# Altium PCB 2-quilter-output.PcbDoc (part 3 of 26)
Units mil, origin at the board's own origin, x right, y up, seen from the top; angles counter-clockwise.
Board outline 4130.55 x 4250 mil, 8 copper layers (L1, Ground L2, L3, Power L4, Ground L5, L6, Ground L7, L8), stack 62.985 mil thick; 591 components, 494 nets, 2245 pads, 1508 vias.
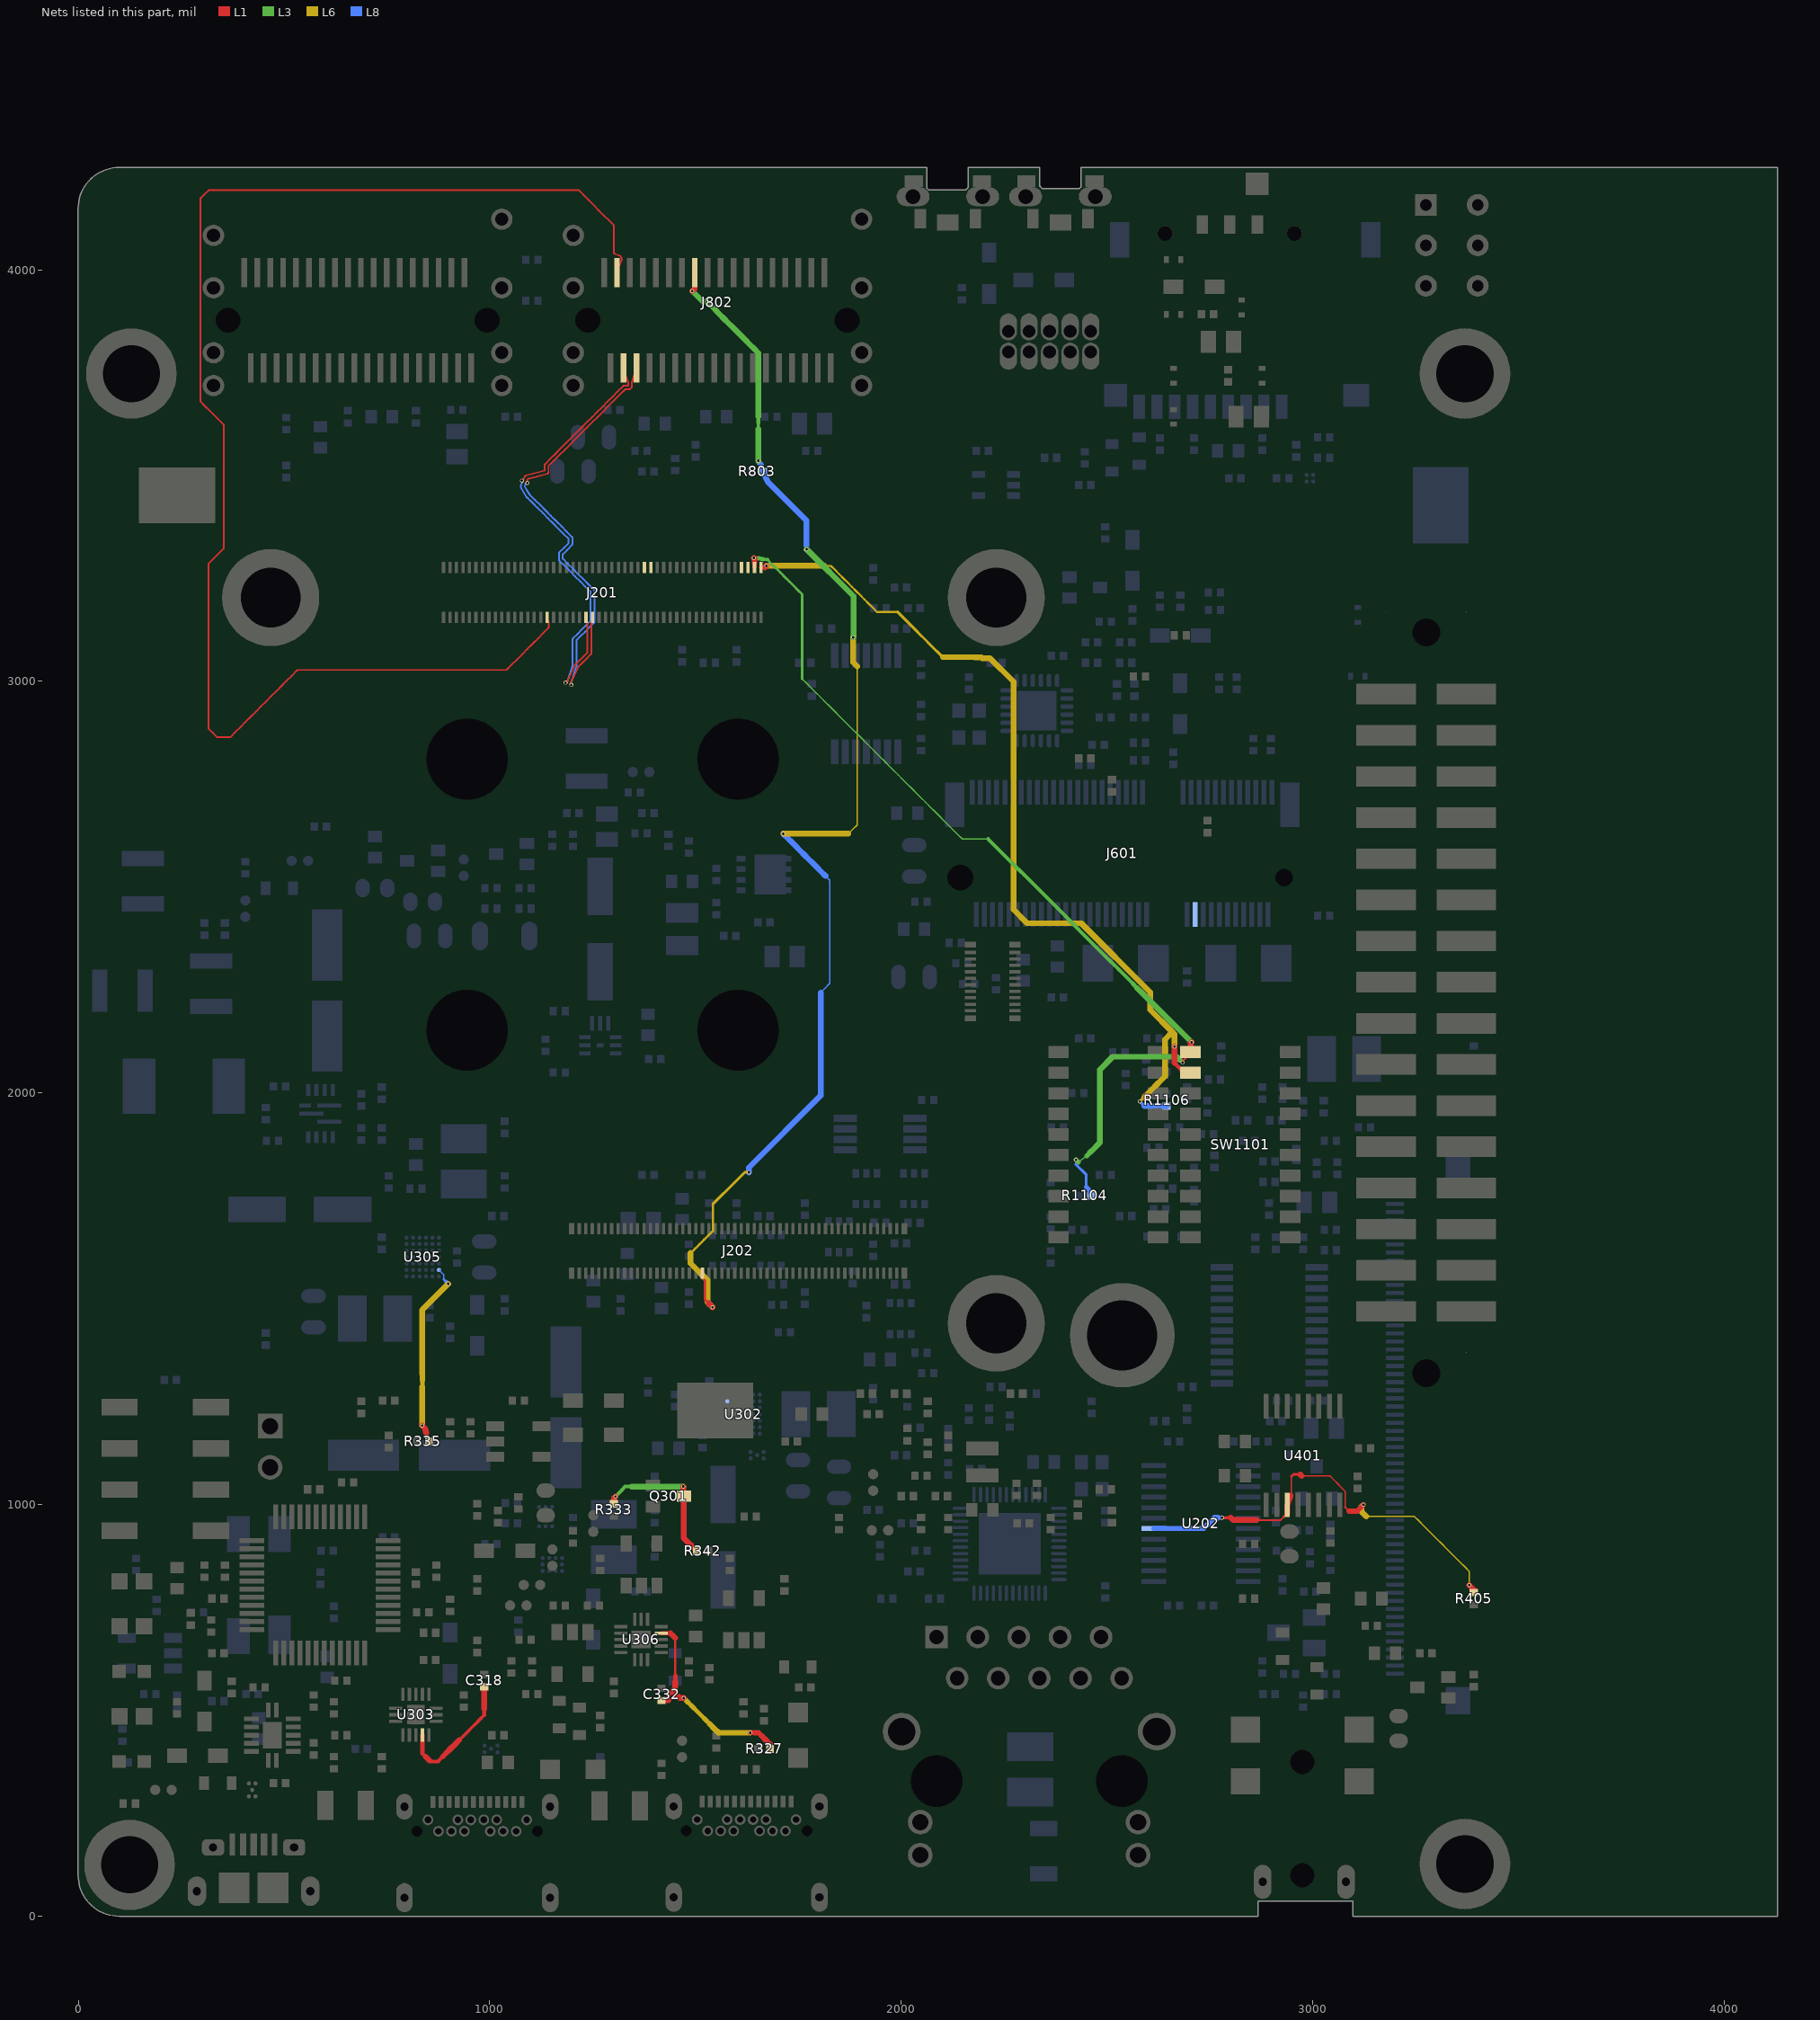
[diagram p9: the nets of this part, all layers, seen from the top]

## Part data
BH1201 BH1202 BH1203 BH1204: library part SPACER, "FASTENER, STANDOFF 4.5MMX3.53XM3.0X0.5 ROUND THR .635\"L BRASS", AGILE_PN=280-76498, ASSY_OPT=DNP, CAD_APPROVED=Yes, CLASS=IC, ClassName="X-17 Mech_TP", HEIGHT=16.13MM, MFG_NAME01=UNICORP, MFG_PN01=MSS251-R-1-A-16, PCB Footprint=spacer_139t, RoHS=Yes
  BH1201: Part Reference=BH1201
  BH1202: Part Reference=BH1202
  BH1203: Part Reference=BH1203
  BH1204: Part Reference=BH1204
BH1206: library part MOUNT_HOLE, "FASTENER, STANDOFF M2.5-0.45 ROUND FEMALE OD CS L2MMX1MM", AGILE_PN=280-77165, CAD_APPROVED=Yes, CLASS=IC, ClassName="X-17 Mech_TP", HEIGHT=2.13MM, MFG_NAME01="SHENZHEN SINHOO SCIENCE TECHNOLOGY DEVELOPMENT CO.,LTD", MFG_PN01=NXP01-001, Part Reference=BH1206, PCB Footprint=mh244-166t, RoHS=Yes
BH1207 BH1208 BH1209: library part MOUNT_HOLE, "FASTENER, STANDOFF M2.5X2.9MM OD5.1MM 1.5MM SN --", AGILE_PN=280-77209, CAD_APPROVED=Yes, CLASS=IC, ClassName="X-17 Mech_TP", FPLIST=standoff_circle_5p1-2p5mm,standoff_circle_5p1-2p5mm_nsp, HEIGHT=2.9MM, MFG_NAME01="WURTH ELEKTRONIK EISOS GMBH & CO. KG", MFG_PN01=9774015151R, PCB Footprint=standoff_circle_5p1-2p5mm_nsp, RoHS=Yes
  BH1207: Part Reference=BH1207
  BH1208: Part Reference=BH1208
  BH1209: Part Reference=BH1209
C101 C304 C305: library part CAP_POL, "CAP ALEL 100uF 50V 20% -- SMD", Tolerance=20%, Voltage=50V, AGILE_PN=150-79137, CAD_APPROVED=Yes, CLASS=DISCRETE, HEIGHT=10.5MM, MFG_NAME01=NICHICON, MFG_PN01=UUD1H101MNL1GS, PCB Footprint=cce8p3x8p3, RoHS=Yes
  C101: ClassName="C-06 Power Bot", Part Reference=C101
  C304: ClassName="C-08 USB TYPE-C DRP Bot 1", Part Reference=C304
  C305: ClassName="C-08 USB TYPE-C DRP Bot 2", Part Reference=C305
C102 C113 C138 C161 C503 C504 C507 C509 C510 C511 C512 C513 C520 C521 C522 C523 C524 C525 C526 C527 C917 C1004: library part CAP_NP, "CAP CER 0.22uF 50V 10% X5R 0402", Temp_Range="-55¡ãC to +85¡ãC", Tolerance=10%, Voltage=50V, AGILE_PN=150-79999, CAD_APPROVED=Yes, CLASS=DISCRETE, FPLIST=CC0402_25,CC0402_HD,0402_CC, HEIGHT=0.55MM, MFG_NAME01="Taiyo Yuden", MFG_PN01=UMK105BJ224KV-F, PCB Footprint=0402_CC, RoHS=Yes
  C102: ClassName="C-06 Power Bot", Part Reference=C102
  C113: ClassName="C-06 Power Bot", Part Reference=C113
  C138: ClassName="C-06 Power Bot", Part Reference=C138
  C161: ASSY_OPT=DNP, ClassName="C-06 Power Bot", Part Reference=C161
  C503: ClassName="C-10 Ethernet 1Gbps", Part Reference=C503, SIGNAL_MODEL=DEFAULT_CAPACITOR_220000pF_2_1
  C504: ClassName="C-10 Ethernet 1Gbps", Part Reference=C504, SIGNAL_MODEL=DEFAULT_CAPACITOR_220000pF_2_1
  C507: ClassName="C-10 Ethernet 1Gbps", Part Reference=C507, SIGNAL_MODEL=DEFAULT_CAPACITOR_220000pF_2_1
  C509: ClassName="C-10 Ethernet 1Gbps", Part Reference=C509, SIGNAL_MODEL=DEFAULT_CAPACITOR_220000pF_2_1
  C510: ClassName="C-10 Ethernet 1Gbps", Part Reference=C510, SIGNAL_MODEL=DEFAULT_CAPACITOR_220000pF_2_1
  C511: ClassName="C-10 Ethernet 1Gbps", Part Reference=C511, SIGNAL_MODEL=DEFAULT_CAPACITOR_220000pF_2_1
  C512: ClassName="C-10 Ethernet 1Gbps", Part Reference=C512, SIGNAL_MODEL=DEFAULT_CAPACITOR_220000pF_2_1
  C513: ClassName="C-10 Ethernet 1Gbps", Part Reference=C513, SIGNAL_MODEL=DEFAULT_CAPACITOR_220000pF_2_1
  C520: ClassName="C-10 Ethernet 1Gbps Bot 1", Part Reference=C520, SIGNAL_MODEL=DEFAULT_CAPACITOR_220000pF_2_1
  C521: ClassName="C-10 Ethernet 1Gbps Bot 1", Part Reference=C521, SIGNAL_MODEL=DEFAULT_CAPACITOR_220000pF_2_1
  C522: ClassName="C-10 Ethernet 1Gbps Bot 1", Part Reference=C522, SIGNAL_MODEL=DEFAULT_CAPACITOR_220000pF_2_1
  C523: ClassName="C-10 Ethernet 1Gbps", Part Reference=C523, SIGNAL_MODEL=DEFAULT_CAPACITOR_220000pF_2_1
  C524: ClassName="C-10 Ethernet 1Gbps", Part Reference=C524, SIGNAL_MODEL=DEFAULT_CAPACITOR_220000pF_2_1
  C525: ClassName="C-10 Ethernet 1Gbps Bot 1", Part Reference=C525, SIGNAL_MODEL=DEFAULT_CAPACITOR_220000pF_2_1
  C526: ClassName="C-10 Ethernet 1Gbps Bot 1", Part Reference=C526, SIGNAL_MODEL=DEFAULT_CAPACITOR_220000pF_2_1
  C527: ClassName="C-10 Ethernet 1Gbps Bot 1", Part Reference=C527, SIGNAL_MODEL=DEFAULT_CAPACITOR_220000pF_2_1
  C917: ClassName="C-14 Debug Bot", Part Reference=C917
  C1004: ClassName="C-15 Expansion CN Bot", Part Reference=C1004
C103 C309 C326: library part CAP_POL, "CAP ALEL 47uF 50V 20% SMD", Tolerance=20%, Voltage=50V, AGILE_PN=150-79704, CAD_APPROVED=Yes, CLASS=DISCRETE, HEIGHT=8MM, MFG_NAME01=NICHICON, MFG_PN01=UWT1H470MCL1GS, PCB Footprint=case_d_al, RoHS=Yes
  C103: ClassName="C-06 Power Bot", Part Reference=C103
  C309: ClassName="C-08 USB TYPE-C DRP Bot 1", Part Reference=C309
  C326: ClassName="C-08 USB TYPE-C DRP Bot 2", Part Reference=C326
C105 C106 C116 C117 C121 C145 C209 C211 C213 C215 C216 C219 C220 C221 C302 C308 C313 C314 C320 C322 C325 C329 C331 C336 C337 C338 C342 C343 C344 C615 C616 C617 C620 C621 C622 C704 C707 C802 C803 C804 C805 C806 C807 C902 C903 C909 C910 C911 C913 C914 C915 C916 C1002 C1003: library part CAP_NP, "CAP CER 0.1uF 50V 10% X7R 0402", Tolerance=10%, Voltage=50V, AGILE_PN=150-79069, CAD_APPROVED=Yes, CLASS=DISCRETE, FPLIST=CC0402_25,CC0402_HD,0402_CC, HEIGHT=0.55MM, MFG_NAME01=MURATA, MFG_PN01=GRM155R71H104KE14D, PCB Footprint=0402_CC, RoHS=Yes
  C105: ClassName="C-06 Power Bot", Part Reference=C105
  C106: ClassName="C-06 Power Bot", Part Reference=C106
  C116: ClassName="C-06 Power Bot", Part Reference=C116
  C117: ClassName="C-06 Power Bot", Part Reference=C117
  C121: ClassName="C-06 Power Bot", Part Reference=C121
  C145: ClassName="C-06 Power Bot", LEAD_FREE=YES, Part Reference=C145
  C209: ClassName="C-07 CPU IO INTERFACE Bot 4", Part Reference=C209
  C211: ClassName="C-07 CPU IO INTERFACE Bot 4", Part Reference=C211
  C213: ClassName="C-07 CPU IO INTERFACE Bot 4", Part Reference=C213
  C215: ClassName="C-07 CPU IO INTERFACE Bot 1", Part Reference=C215
  C216: ClassName="C-07 CPU IO INTERFACE Bot 1", Part Reference=C216
  C219: ClassName="C-07 CPU IO INTERFACE Bot 2", Part Reference=C219
  C220: ClassName="C-07 CPU IO INTERFACE Bot 2", Part Reference=C220
  C221: ClassName="C-07 CPU IO INTERFACE Bot 3", Part Reference=C221
  C302: ClassName="C-08 USB TYPE-C DRP Bot 1", Part Reference=C302
  C308: ClassName="C-08 USB TYPE-C DRP Bot 1", Part Reference=C308
  C313: ClassName="C-08 USB TYPE-C DRP Bot 1", Part Reference=C313
  C314: ClassName="C-08 USB TYPE-C DRP Bot 1", Part Reference=C314
  C320: ClassName="C-08 USB TYPE-C DRP", Part Reference=C320
  C322: ClassName="C-08 USB TYPE-C DRP Bot 2", Part Reference=C322
  C325: ClassName="C-08 USB TYPE-C DRP Bot 2", Part Reference=C325
  C329: ClassName="C-08 USB TYPE-C DRP Bot 2", Part Reference=C329
  C331: ClassName="C-08 USB TYPE-C DRP Bot 2", Part Reference=C331
  C336: ClassName="C-08 USB TYPE-C DRP", Part Reference=C336
  C337: ClassName="C-08 USB TYPE-C DRP Bot 1", Part Reference=C337
  C338: ClassName="C-08 USB TYPE-C DRP Bot 1", Part Reference=C338
  C342: ClassName="C-08 USB TYPE-C DRP Bot 1", Part Reference=C342
  C343: ClassName="C-08 USB TYPE-C DRP", Part Reference=C343
  C344: ClassName="C-08 USB TYPE-C DRP", Part Reference=C344
  C615: ClassName="C-11 PCIe Bot", Part Reference=C615
  C616: ClassName="C-11 PCIe Bot", Part Reference=C616
  C617: ClassName="C-11 PCIe Bot", Part Reference=C617
  C620: ClassName="C-11 PCIe Bot", Part Reference=C620
  C621: ClassName="C-11 PCIe Bot", Part Reference=C621
  C622: ClassName="C-11 PCIe Bot", Part Reference=C622
  C704: ClassName="C-12 MicroSD_Infrared_LED_BTN Bot", Part Reference=C704
  C707: ClassName="C-12 MicroSD_Infrared_LED_BTN", Part Reference=C707
  C802: ClassName="C-13 MIPI-DSI_CSI Bot", Part Reference=C802
  C803: ClassName="C-13 MIPI-DSI_CSI Bot", Part Reference=C803
  C804: ClassName="C-13 MIPI-DSI_CSI Bot", Part Reference=C804
  C805: ClassName="C-13 MIPI-DSI_CSI Bot", Part Reference=C805
  C806: ClassName="C-13 MIPI-DSI_CSI Bot", Part Reference=C806
  C807: ClassName="C-13 MIPI-DSI_CSI Bot", Part Reference=C807
  C902: ClassName="C-14 Debug", Part Reference=C902
  C903: ClassName="C-14 Debug", Part Reference=C903
  C909: ClassName="C-14 Debug", Part Reference=C909
  C910: ClassName="C-14 Debug Bot", Part Reference=C910
  C911: ClassName="C-14 Debug Bot", Part Reference=C911
  C913: ClassName="C-14 Debug Bot", Part Reference=C913
  C914: ClassName="C-14 Debug Bot", Part Reference=C914
  C915: ClassName="C-14 Debug", Part Reference=C915
  C916: ClassName="C-14 Debug", Part Reference=C916
  C1002: ClassName="C-15 Expansion CN Bot", Part Reference=C1002
  C1003: ClassName="C-15 Expansion CN Bot 3", Part Reference=C1003
C107 C108 C109 C157: library part CAP_NP, "CAP CER 100uF 16V 20% X5R 1210", Tolerance=20%, Voltage=16V, AGILE_PN=150-79142, CAD_APPROVED=Yes, CLASS=DISCRETE, ClassName="C-06 Power Bot", FPLIST=CC1210,1210_CC, HEIGHT=2.8MM, MFG_NAME01="Taiyo Yuden", MFG_PN01=EMK325ABJ107MM-T, PCB Footprint=1210_CC, RoHS=Yes
  C107: Part Reference=C107
  C108: Part Reference=C108
  C109: Part Reference=C109
  C157: Part Reference=C157
C114 C141 C401 C405 C501 C502 C505 C702 C901 C905 C918: library part CAP_NP, "CAP CER 1uF 16V 10% X5R 0402", Tolerance=10%, Voltage=16V, AGILE_PN=150-78973, CAD_APPROVED=Yes, CLASS=DISCRETE, FPLIST=CC0402_25,CC0402_HD,0402_CC, HEIGHT="0.55 MM", MFG_NAME01=YAGEO, MFG_PN01=CC0402KRX5R7BB105, PCB Footprint=0402_CC, RoHS=Yes
  C114: ClassName="C-06 Power Bot", Part Reference=C114
  C141: ClassName="C-06 Power Bot", Part Reference=C141
  C401: ClassName="C-09 Audio DAC", Part Reference=C401, SIGNAL_MODEL=DEFAULT_CAPACITOR_1e+06pF_2_1
  C405: ClassName="C-09 Audio DAC", Part Reference=C405, SIGNAL_MODEL=DEFAULT_CAPACITOR_1e+06pF_2_1
  C501: ClassName="C-10 Ethernet 1Gbps", Part Reference=C501, SIGNAL_MODEL=DEFAULT_CAPACITOR_1e+06pF_2_1
  C502: ClassName="C-10 Ethernet 1Gbps", Part Reference=C502, SIGNAL_MODEL=DEFAULT_CAPACITOR_1e+06pF_2_1
  C505: ClassName="C-10 Ethernet 1Gbps", Part Reference=C505, SIGNAL_MODEL=DEFAULT_CAPACITOR_1e+06pF_2_1
  C702: ClassName="C-12 MicroSD_Infrared_LED_BTN Bot", Part Reference=C702
  C901: ClassName="C-14 Debug", Part Reference=C901, SIGNAL_MODEL=DEFAULT_CAPACITOR_1e+06pF_2_1
  C905: ClassName="C-14 Debug Bot", Part Reference=C905, SIGNAL_MODEL=DEFAULT_CAPACITOR_1e+06pF_2_1
  C918: ClassName="C-14 Debug Bot", Part Reference=C918, SIGNAL_MODEL=DEFAULT_CAPACITOR_1e+06pF_2_1
C118 C122 C316 C333: library part CAP_NP, "CAP CER 1000PF 50V 5% C0G 0402", Tolerance=5%, Voltage=50V, AGILE_PN=150-76334, CAD_APPROVED=Yes, CLASS=DISCRETE, FPLIST=CC0402_25,CC0402_HD,0402_CC, HEIGHT=0.55MM, MFG_NAME01=MURATA, MFG_PN01=GRM1555C1H102JA01D, PCB Footprint=0402_CC, RoHS=Yes
  C118: ClassName="C-06 Power Bot", Part Reference=C118
  C122: ASSY_OPT=DNP, ClassName="C-06 Power Bot", Part Reference=C122
  C316: ClassName="C-08 USB TYPE-C DRP Bot 1", Part Reference=C316
  C333: ClassName="C-08 USB TYPE-C DRP Bot 2", Part Reference=C333
C119 C120 C212 C214 C217 C218 C708 C801 C811 C813 C814: library part CAP_NP, "CAP CER 22uF 10V 20% X5R 0603", Tolerance=20%, Voltage=10V, AGILE_PN=150-79530, CAD_APPROVED=Yes, CLASS=DISCRETE, FPLIST=CC0603_OV,CC0603,0603_CC, HEIGHT=1MM, MFG_NAME01=TDK, MFG_PN01=C1608X5R1A226M080AC, PCB Footprint=0603_CC, RoHS=Yes
  C119: ClassName="C-06 Power Bot", Part Reference=C119
  C120: ClassName="C-06 Power Bot", Part Reference=C120
  C212: ClassName="C-07 CPU IO INTERFACE Bot 4", Part Reference=C212
  C214: ClassName="C-07 CPU IO INTERFACE Bot 4", Part Reference=C214
  C217: ClassName="C-07 CPU IO INTERFACE Bot 4", Part Reference=C217
  C218: ClassName="C-07 CPU IO INTERFACE Bot 4", Part Reference=C218
  C708: ClassName="C-12 MicroSD_Infrared_LED_BTN Bot", Part Reference=C708
  C801: ClassName="C-13 MIPI-DSI_CSI Bot", Part Reference=C801, SIGNAL_MODEL=DEFAULT_CAPACITOR_2.2e+07pF_2_1, WVDC=6.3V
  C811: ClassName="C-13 MIPI-DSI_CSI Bot", Part Reference=C811, SIGNAL_MODEL=DEFAULT_CAPACITOR_2.2e+07pF_2_1, WVDC=6.3V
  C813: ClassName="C-13 MIPI-DSI_CSI Bot", Part Reference=C813, SIGNAL_MODEL=DEFAULT_CAPACITOR_2.2e+07pF_2_1, WVDC=6.3V
  C814: ClassName="C-13 MIPI-DSI_CSI Bot", Part Reference=C814, SIGNAL_MODEL=DEFAULT_CAPACITOR_2.2e+07pF_2_1, WVDC=6.3V
C142: library part CAP_NP, "CAP CER 10.0uF 16V 10% X7R 0805", Temp_Range="-55C to +125C", Voltage=16V, AGILE_PN=150-80121, CAD_APPROVED=Yes, CLASS=DISCRETE, ClassName="C-06 Power Bot", FPLIST=CC0805_OV,CC0805,0805_CC,cc0603_0805_nsp, HEIGHT=1.45MM, MFG_NAME01=MURATA, MFG_PN01=GRM21BZ71C106KE15, Part Reference=C142, PCB Footprint=0805_CC, RoHS=Yes
C159 C203 C204 C206 C208 C303 C315 C323 C330 C604 C606 C607 C609 C611: library part CAP_NP, "CAP CER 0.01UF 50V 10% X7R 0402", Tolerance=10%, Voltage=50V, AGILE_PN=150-30114, CAD_APPROVED=Yes, CLASS=DISCRETE, FPLIST=CC0402_25,CC0402_HD,0402_CC, HEIGHT="0.74 MM", MFG_NAME01="WALSIN TECHNOLOGY CORP.", MFG_PN01=0402B103K500CT, PCB Footprint=0402_CC, RoHS=Yes
  C159: ClassName="C-06 Power Bot", Part Reference=C159
  C203: ClassName="C-07 CPU IO INTERFACE Bot 5", Part Reference=C203, TOL=10%
  C204: ClassName="C-07 CPU IO INTERFACE Bot 5", Part Reference=C204, TOL=10%
  C206: ClassName="C-07 CPU IO INTERFACE Bot 5", Part Reference=C206, TOL=10%
  C208: ClassName="C-07 CPU IO INTERFACE Bot 5", Part Reference=C208, TOL=10%
  C303: ASSY_OPT=DNP, ClassName="C-08 USB TYPE-C DRP", Part Reference=C303, TOL=10%
  C315: ClassName="C-08 USB TYPE-C DRP Bot 1", Part Reference=C315
  C323: ClassName="C-08 USB TYPE-C DRP", Part Reference=C323, TOL=10%
  C330: ClassName="C-08 USB TYPE-C DRP Bot 2", Part Reference=C330
  C604: ClassName="C-11 PCIe Bot", Part Reference=C604, TOL=10%
  C606: ClassName="C-11 PCIe Bot", Part Reference=C606, TOL=10%
  C607: ClassName="C-11 PCIe", Part Reference=C607, TOL=10%
  C609: ClassName="C-11 PCIe Bot", Part Reference=C609, TOL=10%
  C611: ClassName="C-11 PCIe Bot", Part Reference=C611, TOL=10%
C160: library part CAP_NP, "CAP CER 220PF 50V 5% C0G 0402", Tolerance=5%, Voltage=50V, AGILE_PN=150-30297, ASSY_OPT=DNP, CAD_APPROVED=Yes, CLASS=DISCRETE, ClassName="C-06 Power Bot", FPLIST=CC0402_25,CC0402_HD,0402_CC, HEIGHT=0.55MM, MFG_NAME01=KEMET, MFG_PN01=C0402C221J5GAC, Part Reference=C160, PCB Footprint=0402_CC, RoHS=Yes
C201 C202 C205 C207 C603 C605 C608: library part CAP_NP, "CAP CER 1uF 16V 10% X5R 0402", Tolerance=10%, Voltage=16V, Voltage Rating=10V, AGILE_PN=150-78973, CAD_APPROVED=Yes, CLASS=DISCRETE, FPLIST=CC0402_25,CC0402_HD,0402_CC, HEIGHT="0.55 MM", MFG_NAME01=YAGEO, MFG_PN01=CC0402KRX5R7BB105, PCB Footprint=0402_CC, RoHS=Yes, TOL=10%
  C201: ClassName="C-07 CPU IO INTERFACE Bot 5", Part Reference=C201
  C202: ClassName="C-07 CPU IO INTERFACE Bot 5", Part Reference=C202
  C205: ClassName="C-07 CPU IO INTERFACE Bot 5", Part Reference=C205
  C207: ClassName="C-07 CPU IO INTERFACE 2", Part Reference=C207
  C603: ClassName="C-11 PCIe Bot", Part Reference=C603
  C605: ClassName="C-11 PCIe Bot", Part Reference=C605
  C608: ClassName="C-11 PCIe Bot", Part Reference=C608
C210 C812 C815: library part CAP_NP, "CAP CER 22UF 16V 10% X5R 0805", Tolerance=10%, Voltage=16V, AGILE_PN=150-78843, CAD_APPROVED=Yes, CLASS=DISCRETE, FPLIST=CC0805_OV,CC0805,0805_CC, HEIGHT=1.45MM, MFG_NAME01=TDK, MFG_PN01=C2012X5R1C226K, PCB Footprint=0805_CC, RoHS=Yes
  C210: ClassName="C-07 CPU IO INTERFACE Bot 4", Part Reference=C210
  C812: ClassName="C-13 MIPI-DSI_CSI Bot", Part Reference=C812
  C815: ClassName="C-13 MIPI-DSI_CSI Bot", Part Reference=C815
C301 C321: library part CAP_NP, "CAP CER 4.7UF 50V 10% X7R 1210", Tolerance=10%, Voltage=50V, AGILE_PN=150-76570, CAD_APPROVED=Yes, CLASS=DISCRETE, FPLIST=CC1210,1210_CC, HEIGHT=2.7MM, MFG_NAME01=MURATA, MFG_PN01=GRM32ER71H475KA88L, PCB Footprint=CC1210, RoHS=Yes
  C301: ClassName="C-08 USB TYPE-C DRP Bot 1", Part Reference=C301
  C321: ClassName="C-08 USB TYPE-C DRP Bot 2", Part Reference=C321
C311 C327: library part MOT_CAP, "CAP CER 47UF 16V 10% X5R 1210", Tolerance=10%, Voltage=16V, AGILE_PN=150-75908, CAD_APPROVED=Yes, CLASS=DISCRETE, FPLIST=CC1210,1210_CC, HEIGHT="2.7 mm", MFG_NAME01=MURATA, MFG_PN01=GRM32ER61C476KE15L, PCB Footprint=CC1210, RoHS=Yes
  C311: ClassName="C-08 USB TYPE-C DRP Bot 1", Part Reference=C311
  C327: ClassName="C-08 USB TYPE-C DRP Bot 2", Part Reference=C327
C317 C319 C334 C335 C402 C403: library part CAP_NP, "CAP CER 4.7uF 10V 10% X7S 0603", Tolerance=10%, Voltage=10V, AGILE_PN=150-79499, CAD_APPROVED=Yes, CLASS=DISCRETE, FPLIST=CC0603_OV,CC0603,0603_CC, HEIGHT="0.95 MM", MFG_NAME01=murata, MFG_PN01=GRM188C71A475KE11D, PCB Footprint=0603_CC, RoHS=Yes
  C317: ClassName="C-08 USB TYPE-C DRP Bot 1", Part Reference=C317
  C319: ClassName="C-08 USB TYPE-C DRP", Part Reference=C319
  C334: ClassName="C-08 USB TYPE-C DRP Bot 2", Part Reference=C334
  C335: ClassName="C-08 USB TYPE-C DRP", Part Reference=C335
  C402: ClassName="C-09 Audio DAC", Part Reference=C402
  C403: ClassName="C-09 Audio DAC", Part Reference=C403
C318 C332 C340 C404: library part CAP_NP, "CAP CER 2.2uF 10V 10% X5R 0402", Tolerance=10%, Voltage=10V, AGILE_PN=150-78974, CAD_APPROVED=Yes, CLASS=DISCRETE, FPLIST=CC0402_25,CC0402_HD,0402_CC, HEIGHT="0.55 MM", MFG_NAME01=TDK, MFG_PN01=C1005X5R1A225K, PCB Footprint=0402_CC, RoHS=Yes
  C318: ClassName="C-08 USB TYPE-C DRP", Part Reference=C318
  C332: ClassName="C-08 USB TYPE-C DRP", Part Reference=C332
  C340: ClassName="C-08 USB TYPE-C DRP", Part Reference=C340
  C404: ClassName="C-09 Audio DAC", Part Reference=C404
C339: library part CAP_NP, "CAP CER 1.0UF 35V 10% X5R 0603", Tolerance=10%, Voltage=35V, AGILE_PN=150-77293, CAD_APPROVED=Yes, CLASS=DISCRETE, ClassName="C-08 USB TYPE-C DRP", FPLIST=CC0603_OV,CC0603,0603_CC, HEIGHT=0.9MM, MFG_NAME01="Taiyo Yuden", MFG_PN01=GMK107BJ105KA-T, Part Reference=C339, PCB Footprint=CC0603_OV, RoHS=Yes
C341 C613 C614: library part CAP_NP, "CAP CER 18PF 50V 1% C0G 0402", Tolerance=1%, Voltage=50V, AGILE_PN=150-76630, CAD_APPROVED=Yes, CLASS=DISCRETE, FPLIST=CC0402_25,CC0402_HD,0402_CC, HEIGHT=0.59MM, MFG_NAME01=YAGEO, MFG_PN01=CC0402FRNPO9BN180, PCB Footprint=0402_CC, PRIORITY_PN=021-00248, RoHS=Yes, ROOM=ATLAS-AP
  C341: ASSY_OPT=DNP, ClassName="C-08 USB TYPE-C DRP", Part Reference=C341
  C613: ClassName="C-11 PCIe Bot", Part Reference=C613
  C614: ClassName="C-11 PCIe Bot", Part Reference=C614
C406 C407: library part CAP_NP, "CAP CER 2700pF 50V 5% C0G 0603", Tolerance=5%, Voltage=50V, AGILE_PN=150-78873, CAD_APPROVED=Yes, CLASS=DISCRETE, ClassName="C-09 Audio DAC", FPLIST=CC0603_OV,CC0603,0603_CC, HEIGHT=0.87MM, MFG_NAME01=KEMET, MFG_PN01=C0603C272J5GACTU, PCB Footprint=0603_CC, RoHS=Yes
  C406: Part Reference=C406
  C407: Part Reference=C407
C506: library part CAP_NP, "CAP CER 10uF 25V 20% X5R 0603", Tolerance=20%, Voltage=25V, AGILE_PN=150-79272, CAD_APPROVED=Yes, CLASS=DISCRETE, ClassName="C-10 Ethernet 1Gbps", FPLIST=CC0603_OV,CC0603,0603_CC, HEIGHT=1MM, MFG_NAME01=Murata, MFG_PN01=GRM188R61E106MA73D, Part Reference=C506, PCB Footprint=0603_CC, RoHS=Yes
C508 C618 C623 C906 C912: library part CAP_NP, "CAP CER 10UF 10V 10% X5R 0603", Temp_Range="-55¡ãC ~ 85¡ãC", Tolerance=10%, Voltage=10v, AGILE_PN=150-78675, CAD_APPROVED=Yes, CLASS=DISCRETE, FPLIST=CC0603_OV,CC0603,0603_CC, HEIGHT=1.016MM, MFG_NAME01=MURATA, MFG_PN01=GRM188R61A106KE69D, PCB Footprint=0603_CC, RoHS=Yes
  C508: ClassName="C-10 Ethernet 1Gbps", Part Reference=C508
  C618: ClassName="C-11 PCIe Bot", Part Reference=C618
  C623: ClassName="C-11 PCIe Bot", Part Reference=C623
  C906: ClassName="C-14 Debug Bot", Part Reference=C906
  C912: ClassName="C-14 Debug Bot", Part Reference=C912
C514 C515 C516: library part CAP_NP, "CAP CER 470PF 50V 10% X7R 0402", Tolerance=10%, Voltage=50V, AGILE_PN=150-75452, ASSY_OPT=DNP, CAD_APPROVED=Yes, CLASS=DISCRETE, ClassName="C-10 Ethernet 1Gbps Bot 1", FPLIST=CC0402_25,CC0402_HD,0402_CC, HEIGHT=0.55MM, MFG_NAME01=MURATA, MFG_PN01=GRM155R71H471KA01D, PCB Footprint=0402_CC, PRIORITY_PN=021-00340, RoHS=Yes, ROOM=RGMII_PHY, SIGNAL_MODEL=DEFAULT_CAPACITOR_470pF_2_1, WVDC=50V
  C514: Part Reference=C514
  C515: Part Reference=C515
  C516: Part Reference=C516
C517: library part CAP_NP, "CAP CER 1000PF 2KV 10% X7R 1210", Tolerance=10%, Voltage=2KV, AGILE_PN=150-75027, CAD_APPROVED=Yes, CLASS=DISCRETE, ClassName="C-10 Ethernet 1Gbps Bot 2", FPLIST=CC1210,1210_CC, HEIGHT=1.7MM, MFG_NAME01=AVX, MFG_PN01=1210GC102KAT1A, Part Reference=C517, PCB Footprint=CC1210, RoHS=Yes, WVDC=2KV
C518 C519: library part CAP_NP, "CAP CER 22PF 50V 5% C0G 0402", Tolerance=5%, Voltage=50V, AGILE_PN=150-75266, CAD_APPROVED=Yes, CLASS=DISCRETE, ClassName="C-10 Ethernet 1Gbps Bot 1", FPLIST=CC0402_25,CC0402_HD,0402_CC, HEIGHT=0.635MM, MFG_NAME01=AVX, MFG_PN01=04025A220JAT2A, PCB Footprint=0402_CC, PRIORITY_PN=021-00234, RoHS=Yes, ROOM=RGMII_PHY, SIGNAL_MODEL=DEFAULT_CAPACITOR_22pF_2_1, WVDC=50V
  C518: Part Reference=C518
  C519: Part Reference=C519
C624 C625: library part CAP_POL, "CAP TANT 220UF ESR 1.300 OHM 10V 20% 1210", Tolerance=20%, Voltage=10V, AGILE_PN=150-79247, CAD_APPROVED=Yes, CLASS=DISCRETE, ClassName="C-11 PCIe Bot", HEIGHT=1.2MM, MFG_NAME01=AVX, MFG_PN01=TLNT227M010R1300, PCB Footprint=cc3528-21, RoHS=Yes
  C624: Part Reference=C624
  C625: ASSY_OPT=DNP, Part Reference=C625
C703 C706: library part CAP_NP, "CAP CER 47uF 10V 20% X5R 0805", Tolerance=20%, Voltage=10V, AGILE_PN=150-78979, CAD_APPROVED=Yes, CLASS=DISCRETE, ClassName="C-12 MicroSD_Infrared_LED_BTN", FPLIST=CC0805_OV,CC0805,0805_CC, HEIGHT="1.45 MM", MFG_NAME01=TDK, MFG_PN01=C2012X5R1A476M125AC, PCB Footprint=0805_CC, RoHS=Yes
  C703: Part Reference=C703
  C706: Part Reference=C706
C907 C908: library part CAP_NP, "CAP CER 27PF 16V 5% C0G 0402", Tolerance=5%, Voltage=16V, AGILE_PN=150-75267, CAD_APPROVED=Yes, CLASS=DISCRETE, ClassName="C-14 Debug", EN=102-1-02308, FPLIST=CC0402_25,CC0402_HD,0402_CC, HEIGHT="0.56 MM", MFG_NAME01=AVX, MFG_PN01=0402YA270JAT2A, PCB Footprint=0402_CC, PRIORITY_PN=021-00234, RoHS=Yes, ROOM=RGMII_PHY, SIGNAL_MODEL=DEFAULT_CAPACITOR_22pF_2_1, TOL=5%, WVDC=50V